# Altium PCB GND_Studio.PcbDoc (continued)
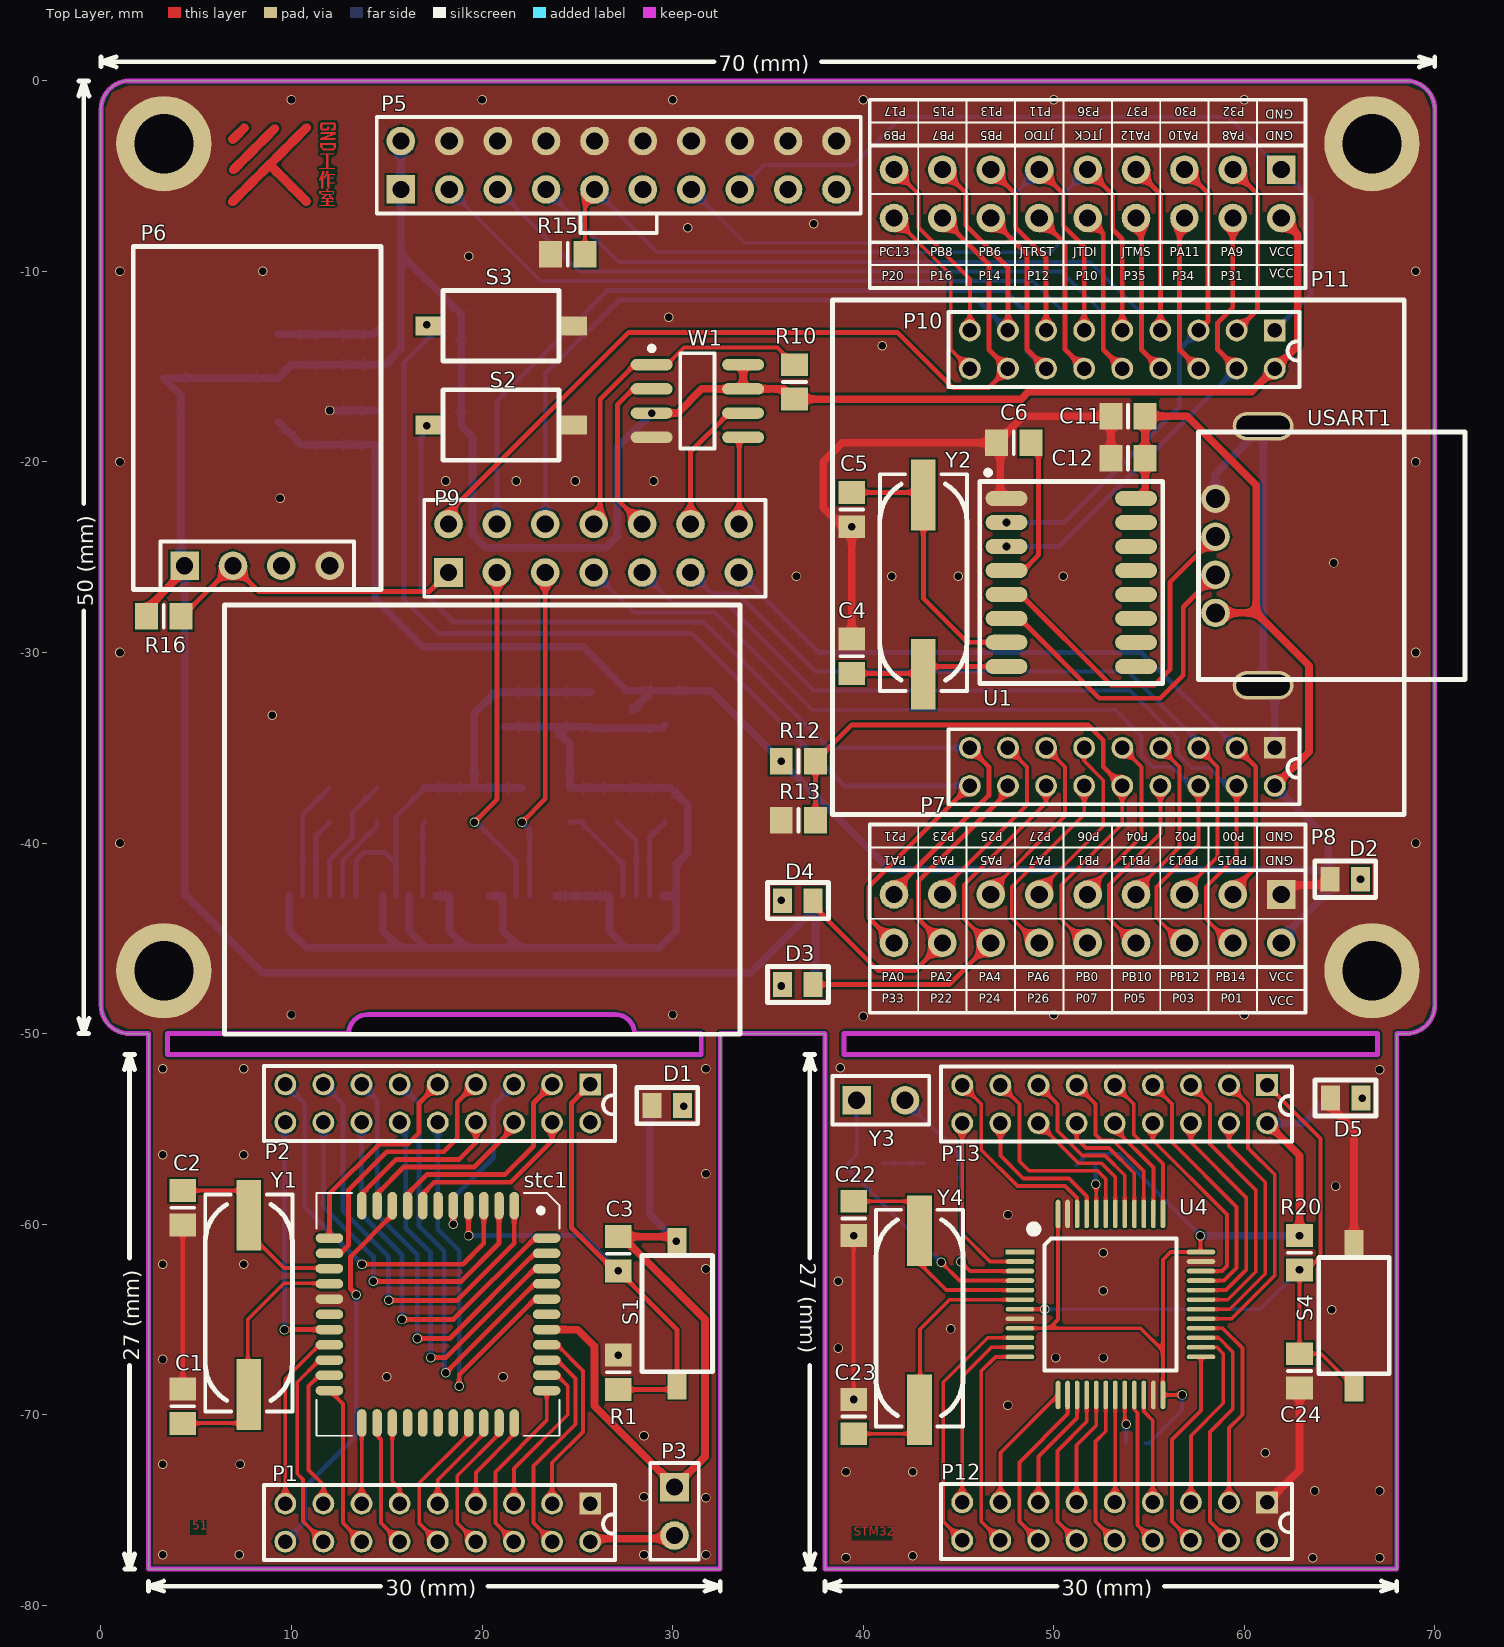
[diagram p0: Top Layer view]
## Nets (pads, with @x,y where several pads share a name; then routed paths per layer and width w, separated by ;. In a path a pad name is that pad's centre, name@x,y a point inside that pad or via, vN(x,y) a via of type N, cw(c..) or ccw(c..) an arc to the next point about the centre after c; other vN are vias at no path point) (continued)
NetC2_2: C2.2 stc1.14 Y1.2 | length 10.7
  Top Layer w0.2: C2.2 7.698,-58.239 7.709,-58.25 7.709,-60.409 9.6,-62.3 11.96,-62.3 stc1.14
NetC4_2: C4.2 U1.8 Y2.1 | length 8.3
  Top Layer w0.254: C4.2 43.125,-31.1 Y2.1 43.561,-30.736 U1.8
NetC5_2: C5.2 U1.7 Y2.2 | length 14.6
  Top Layer w0.254: C5.2 43.023,-21.6 Y2.2 43.161,-27.161 45.466,-29.466 U1.7
NetC6_2: C6.2 U1.4 | length 8.1
  Top Layer w0.254: U1.4 48.404,-25.696 49.2,-24.9 49.2,-19.4 C6.2
NetC7_2: C7.2 P4.28 | length 4.2
  Bottom Layer w0.254: P4.28 28.79,-39.71 C7.2
NetC8_2: C8.2 P4.27 | length 4.3
  Bottom Layer w0.254: C8.2 28.09,-39.89 P4.27
NetC9_1: C9.1 P4.5 | length 4.6
  Bottom Layer w0.254: P4.5 12.69,-40.91 14.5,-39.1 C9.1
NetC9_2: C9.2 P4.4 | length 6.7
  Bottom Layer w0.254: P4.4 11.99,-40.91 13.2,-39.7 13.2,-38.4 C9.2
NetC10_1: C10.1 P4.3 | length 4.2
  Bottom Layer w0.254: P4.3 11.29,-39.61 C10.1
NetC10_2: C10.2 P4.2 | length 6.3
  Bottom Layer w0.254: P4.2 10.59,-38.51 C10.2
NetD1_1: D1.1 pad.2 R2.2
NetD2_1: D2.1 pad.32 R8.2
NetD3_1: D3.1 pad.45 R11.2
NetD4_1: D4.1 pad.44 R14.2
NetD5_1: D5.1 pad.6 R19.1
NetP4_11: P4.11 R9.1 | length 3.9
  Bottom Layer w0.254: P4.11 16.89,-39.01 R9.1
NetP4_26: P4.26 R5.1 | length 5.4
  Bottom Layer w0.254: R5.1 25.2,-38.9 27.39,-41.09 P4.26
NetU1_5: U1.5 USART1.3 | length 18.1
  Top Layer w0.254: U1.5@48.256,-26.956 53,-31.7 55.3,-31.7 56.1,-30.9 56.1,-26.313 USART1.3
NetU1_6: U1.6 USART1.2 | length 16.8
  Top Layer w0.254: U1.6@48.216,-28.216 52.4,-32.4 55.6,-32.4 56.8,-31.2 56.8,-27.613 USART1.2
NRST: C24.2 P13.1 pad.10 R20.1 S4.2 U4.7 | length 35.1
  Top Layer w0.2: U4.7 v1(49.537,-64.463) ; P13.1 64,-55.5 64,-61.7 63.3,-62.4 R20.1 C24.2 64.02,-66.8 S4.2@65.768,-68.548
  Bottom Layer w0.2: v1(49.537,-64.463) 60.837,-64.463 pad.10
OLED_3V3: C13.2 C14.2 P4.6 P4.9 R6.2 R7.2 R9.2 U2.2 | length 26.3
  Bottom Layer w0.254: P4.6 13.39,-40.91 13.813,-40.487 14.9,-40.487 P4.9@15.49,-41.077 ; P4.9 P4.9@15.49,-41.077 ; R9.2 15.49,-38.61 P4.9@15.49,-41.077
  Bottom Layer w0.4: R9.2 R7.2 ; R6.2 R7.2 ; U2.2 21.219,-32.081 C14.2 20.7,-32.1 19.6,-33.2 R7.2
OSC_IN: C22.2 U4.5 Y4.2 | length 12.6
  Top Layer w0.2: C22.2 42.984,-58.8 42.988,-58.804 42.988,-62.088 44.363,-63.463 U4.5
OSC_OUT: C23.2 U4.6 Y4.1 | length 14.9
  Top Layer w0.2: C23.2 42.984,-71 42.988,-70.996 42.988,-65.512 44.537,-63.963 U4.6
P00: P1.3 stc1.37 | length 10.1
  Top Layer w0.2: stc1.37 23.931,-66.331 25.3,-67.7 25.3,-70.9 23.676,-72.524 P1.3
P00/PB15/MOSI: P7.3 P8.3 P9.13 | length 38.6
  Top Layer w0.254: P8.3@59.22,-42.66 60.6,-41.28 60.6,-36 P7.3
  Bottom Layer w0.254: P9.13 37.68,-30 54.6,-30 P7.3
P01: P1.4 stc1.36 | length 11.8
  Top Layer w0.2: stc1.36 23.931,-67.131 24.9,-68.1 24.9,-70.5 22.7,-72.7 22.7,-75.688 P1.4
P01/PB14MISO: P7.4 P8.4 P9.9 | length 45.7
  Top Layer w0.2: P8.4@59.22,-45.2 58,-43.98 58,-42.3 59.6,-40.7 P7.4
  Bottom Layer w0.2: P9.9 30,-27.4 32.8,-27.4 37.4,-32 54,-32 56.5,-34.5 56.5,-35.3 57.246,-36.046 58.146,-36.046 59.1,-37 P7.4
P02: P1.5 stc1.35 | length 8.7
  Top Layer w0.2: P1.5 21.676,-72.824 24.5,-70 24.5,-68.5 23.931,-67.931 stc1.35
P02/PB13/SCK: P7.5 P8.5 P9.11 | length 39.5
  Top Layer w0.2: P8.5@56.68,-42.66 58.6,-40.74 58.6,-36 P7.5
  Bottom Layer w0.2: P9.11 32.04,-26.9 33.4,-26.9 37.5,-31 53.9,-31 57.6,-34.7 P7.5
P03: P1.6 stc1.34 | length 9.5
  Top Layer w0.2: P1.6 20.7,-75.688 20.7,-73 23.391,-70.309 stc1.34
P03/PB12/CS: P7.6 P8.6 P9.7 | length 46.6
  Top Layer w0.2: P8.6@56.68,-45.2 55.4,-43.92 55.4,-42.3 57.6,-40.1 P7.6
  Bottom Layer w0.2: P9.7 27.96,-27.9 32.2,-27.9 37.3,-33 53.2,-33 54.6,-34.4 54.6,-35.4 55.2,-36 56.2,-36 57.2,-37 P7.6
P04: P1.7 stc1.33 | length 5.1
  Top Layer w0.2: P1.7 19.676,-73.024 21.691,-71.009 stc1.33
P04/PB11: P7.7 P8.7 | length 9.1
  Top Layer w0.2: P8.7@54.14,-42.66 56.6,-40.2 56.6,-36 P7.7
P05: P1.8 stc1.32 | length 7.5
  Top Layer w0.2: P1.8 18.7,-75.688 18.7,-73.2 20.891,-71.009 stc1.32
P05/PB10: P7.8 P8.8 | length 9.8
  Top Layer w0.2: P8.8@54.14,-45.2 52.9,-43.96 52.9,-42.2 55.6,-39.5 P7.8
P06: P1.9 stc1.31 | length 5.2
  Top Layer w0.2: P1.9 17.676,-73.424 20.091,-71.009 stc1.31
P06/PB1: P7.9 P8.9 | length 9.3
  Top Layer w0.2: P8.9@51.6,-42.66 54.6,-39.66 54.6,-36 P7.9
P07: P1.10 stc1.30 | length 7.7
  Top Layer w0.2: P1.10 16.7,-75.688 16.7,-73.6 19.291,-71.009 stc1.30
P07/PB0: P7.10 P8.10 R12.1 R13.1 | length 32.2
  Top Layer w0.2: P8.10@51.6,-45.2 50.4,-44 50.4,-42.2 53.6,-39 P7.10
  Top Layer w0.254: R13.1 R12.1 39.4,-33.8 51.8,-33.8 52.6,-34.6 52.6,-36 P7.10
P10: P2.10 stc1.40 | length 21.1
  Top Layer w0.254: v1(18.8,-68.5) 18.8,-67.9 22.769,-63.931 stc1.40
  Bottom Layer w0.254: P2.10 17.676,-60.276 18.8,-61.4 v1(18.8,-68.5)
P10/JTDI: P5.5 P10.10 P11.10 | length 46.4
  Top Layer w0.254: P11.10 52.6,-8.02 52.6,-14.1 P10.10
  Bottom Layer w0.2: P5.5 25.12,-10 50.4,-10 52.6,-12.2 52.6,-14.1 P10.10
P11: P2.11 stc1.41 | length 23.4
  Top Layer w0.254: v1(18.1,-67.8) 22.769,-63.131 stc1.41
  Bottom Layer w0.254: P2.11 16.7,-53.688 16.7,-60.1 18.014,-61.414 18.014,-67.714 v1(18.1,-67.8)
P11/JTDO: P5.13 P10.11 P11.11 | length 31.7
  Top Layer w0.254: P11.11 50.5,-5.92 50.5,-7.6 51.6,-8.7 P10.11
  Bottom Layer w0.2: P5.13 33.78,-8.5 47.5,-8.5 48,-8 48,-5.9 P11.11
P12: P2.12 stc1.42 | length 21
  Top Layer w0.254: v1(17.3,-67) 18.1,-67 22.769,-62.331 stc1.42
  Bottom Layer w0.254: P2.12 16,-54.988 16,-60.2 17.3,-61.5 v1(17.3,-67)
P12/JTRST: P5.3 P10.12 P11.12 | length 47.2
  Top Layer w0.254: P11.12 50.6,-8.56 50.6,-14.1 P10.12
  Bottom Layer w0.2: P5.3 23.08,-10.5 48.9,-10.5 50.6,-12.2 50.6,-14.1 P10.12
P13: P2.13 stc1.43 | length 23.2
  Top Layer w0.254: v1(16.6,-66) 18.3,-66 22.769,-61.531 stc1.43
  Bottom Layer w0.254: P2.13 14.5,-53.488 14.5,-59.5 16.6,-61.6 v1(16.6,-66)
P13/PB5: P10.13 P11.13 | length 9.6
  Top Layer w0.254: P11.13 48,-5.96 48,-7.7 49.6,-9.3 P10.13
P14: P2.14 stc1.44 | length 20.6
  Top Layer w0.254: v1(15.8,-65) 18.5,-65 22.769,-60.731 stc1.44
  Bottom Layer w0.254: P2.14 13.676,-59.476 15.8,-61.6 v1(15.8,-65)
P14/PB6/SCL: P9.4 P10.14 P11.14 | length 49.6
  Top Layer w0.254: P11.14 48.6,-9.1 48.6,-14.1 P10.14
  Bottom Layer w0.254: P9.4 20.78,-16.82 26.6,-11 47.4,-11 48.6,-12.2 48.6,-14.2 49.5,-15.1 P10.14
P15: P2.15 stc1.1 | length 22.6
  Top Layer w0.254: v1(15.1,-64) 18.7,-64 21.691,-61.009 stc1.1
  Bottom Layer w0.254: P2.15 12.7,-53.688 12.7,-59.3 15.1,-61.7 v1(15.1,-64)
P15/PB7/SDA: P9.6 P10.15 P11.15 | length 44.3
  Top Layer w0.254: P11.15 45.4,-5.9 45.4,-7.6 47.6,-9.8 P10.15
  Bottom Layer w0.254: P9.6 23.32,-15.38 27.2,-11.5 46,-11.5 P10.15
P16: P2.16 stc1.2 | length 18.8
  Top Layer w0.254: v1(14.3,-63) 18.9,-63 20.891,-61.009 stc1.2
  Bottom Layer w0.254: P2.16 11.676,-59.076 14.3,-61.7 v1(14.3,-63)
P16/PB8/DHT11: P9.2 P10.16 P11.16 | length 45.5
  Top Layer w0.254: P9.2@18.7,-22.8 P9.2 18.24,-22.66 27.7,-13.2 41.8,-13.2 44.7,-16.1 46.6,-16.1 P10.16 46.6,-14.1 46.6,-9.64 P11.16
P17: P2.17 stc1.3 | length 19.8
  Top Layer w0.254: v1@13.8,-62.1 19,-62.1 20.091,-61.009 stc1.3
  Bottom Layer w0.254: P2.17 10.7,-53.688 10.7,-59.1 v1(13.7,-62.1)
P17/PB9/LED: P10.17 P11.17 | length 10.1
  Top Layer w0.2: P11.17 42.9,-5.94 42.9,-7.7 45.6,-10.4 P10.17
P20: P2.18 stc1.18 | length 13.2
  Top Layer w0.254: v1(9.631,-65.531) stc1.18
  Bottom Layer w0.254: v1(9.631,-65.531) 9.631,-54.709 P2.18
P20/PC13: P10.18 P11.18 | length 9.5
  Top Layer w0.2: P11.18 44.6,-10.18 44.6,-14.1 P10.18
P21: P1.17 stc1.19 | length 9.6
  Top Layer w0.2: P1.17 9.676,-68.124 11.469,-66.331 stc1.19
P21/PA1/KEY1: P7.17 P8.17 pad.49 R3.1 S2.2 | length 51.1
  Top Layer w0.254: P8.17 41.62,-42.48 46.6,-37.5 46.6,-36 P7.17
  Bottom Layer w0.254: pad.49 17.1,-18.4 16.8,-18.7 16.8,-26.7 18.5,-28.4 31.6,-28.4 38.2,-35 P7.17
P22: P1.16 stc1.20 | length 11.1
  Top Layer w0.2: P1.16 10.6,-75.588 10.6,-73.4 10.3,-73.1 10.3,-68.3 11.469,-67.131 stc1.20
P22/PA2/LED1: D4.2 P7.16 P8.16 | length 19.8
  Top Layer w0.254: D4.2 37.379,-43.279 40.8,-46.7 42.7,-46.7 P8.16 42.9,-43.98 42.9,-42 47.6,-37.3 P7.16
P23: P1.15 stc1.21 | length 7.8
  Top Layer w0.2: P1.15 11.676,-73.676 10.9,-72.9 10.9,-68.5 11.469,-67.931 stc1.21
P23/PA3: P7.15 P8.15 | length 10
  Top Layer w0.2: P8.15 44.16,-42.44 48.6,-38 48.6,-36 P7.15
P24: P1.14 stc1.22 | length 8.6
  Top Layer w0.2: stc1.22 12.7,-69.44 12.7,-75.688 P1.14
P24/PA4/LED2: D3.2 P7.14 P8.14 | length 20.7
  Top Layer w0.2: P8.14@46.52,-45.2 45.3,-43.98 45.3,-42.2 49.6,-37.9 P7.14
  Top Layer w0.254: D3.2 44.518,-47.422 P8.14
P25: P1.13 stc1.23 | length 4.6
  Top Layer w0.2: P1.13 13.691,-74.649 stc1.23@13.691,-70.031
P25/PA5: P7.13 P8.13 | length 9.8
  Top Layer w0.2: P8.13@46.52,-42.66 50.6,-38.58 50.6,-36 P7.13
P26: P1.12 stc1.24 | length 7.1
  Top Layer w0.2: stc1.24@14.491,-70.031 14.491,-71.091 14.7,-71.3 14.7,-75.688 P1.12
P26/PA6: P7.12 P8.12 | length 10.3
  Top Layer w0.2: P8.12@49.06,-45.2 47.8,-43.94 47.8,-42.3 51.6,-38.5 P7.12
P27: P1.11 stc1.25 | length 4.8
  Top Layer w0.2: stc1.25@15.291,-70.031 15.291,-73.491 15.676,-73.876 P1.11
P27/PA7: P7.11 P8.11 | length 9.5
  Top Layer w0.2: P8.11@49.06,-42.66 52.6,-39.12 52.6,-36.7 51.6,-35.7 P7.11
P30: P2.5 stc1.5 | length 9.6
  Top Layer w0.254: v1(18.491,-60) stc1.5
  Bottom Layer w0.254: v1(18.491,-60) 18.491,-58.609 20.6,-56.5 20.6,-53.74 P2.5
P30/PA10/RX: P10.5 P11.5 pad.41 U1.2 | length 25.2
  Top Layer w0.254: P11.5 58.1,-5.9 58.1,-12.6 P10.5
  Bottom Layer w0.254: pad.41 50.524,-23.176 56.6,-17.1 56.6,-14.1 P10.5
P31: P2.4 stc1.7 | length 9.5
  Top Layer w0.254: stc1.7 16.891,-58.409 17.5,-57.8 21.5,-57.8 23.676,-55.624 P2.4
P31/PA9/TX: P10.4 P11.4 pad.42 U1.3 | length 24.6
  Top Layer w0.254: P11.4 59.4,-11.9 58.6,-12.7 58.6,-14.1 P10.4
  Bottom Layer w0.254: pad.42 50.264,-24.436 P10.4
P32: P2.3 stc1.8 | length 11.5
  Top Layer w0.254: stc1.8@16.091,-58.631 16.091,-58.409 17.1,-57.4 21.2,-57.4 22.7,-55.9 22.7,-53.64 P2.3
P32/PA8: P10.3 P11.3 | length 9.4
  Top Layer w0.254: P11.3 60.7,-5.96 60.7,-12 P10.3
P33: P1.18 stc1.9 | length 20.2
  Top Layer w0.254: v1(13.4,-63.7) 13.1,-63.4 13.1,-61.7 15.291,-59.509 stc1.9
  Bottom Layer w0.254: P1.18 10.7,-75.64 10.7,-73.8 13.4,-71.1 v1(13.4,-63.7)
P33/PA0/KEY3: P7.18 P8.18 pad.37 R4.1 S3.2 | length 59.6
  Top Layer w0.254: P8.18 40.3,-43.92 40.3,-42.3 P7.18
  Bottom Layer w0.254: R4.1@17.1,-13.3 17.4,-13.3 15.9,-14.8 15.9,-27.2 17.7,-29 31,-29 39,-37 P7.18
P34: P2.6 stc1.10 | length 9.1
  Top Layer w0.254: stc1.10@14.491,-58.631 14.491,-58.409 15.9,-57 19.6,-57 21.676,-54.924 P2.6
P34/PA11: P10.6 P11.6 | length 8.4
  Top Layer w0.254: P11.6 56.6,-7.46 56.6,-14.1 P10.6
P35: P2.8 stc1.11 | length 8.4
  Top Layer w0.254: stc1.11@13.691,-58.631 13.691,-58.409 15.5,-56.6 18.8,-56.6 19.676,-55.724 P2.8
P35/JTMS: P5.7 P10.8 P11.8 | length 45.7
  Top Layer w0.254: P11.8 54.6,-7.48 54.6,-14.1 P10.8
  Bottom Layer w0.2: P5.7 27.16,-9.5 51.9,-9.5 54.6,-12.2 54.6,-14.1 P10.8
P36: P2.9 stc1.12 | length 11.3
  Top Layer w0.254: stc1.12 11.991,-58.409 14.6,-55.8 16.1,-55.8 16.7,-55.2 16.7,-53.64 P2.9
P36/JTCK: P5.9 P10.9 P11.9 R15.2 | length 43.2
  Top Layer w0.2: R15.2 25.4,-6.2 P5.9
  Top Layer w0.254: P11.9 53.1,-5.98 53.1,-7.8 53.6,-8.3 P10.9
  Bottom Layer w0.2: P5.9 29.2,-9 49.8,-9 50.5,-8.3 50.5,-5.94 P11.9
P37: P2.7 stc1.13 | length 14.2
  Top Layer w0.254: stc1.13 12.569,-61.531 13,-61.1 13,-58.2 15,-56.2 18,-56.2 18.7,-55.5 18.7,-53.6 19.636,-52.664 P2.7
P37/PA12: P10.7 P11.7 | length 9
  Top Layer w0.254: P11.7 55.6,-5.94 P10.7
PA0: P12.18 U4.10 | length 13.7
  Top Layer w0.2: P12.18 44.2,-75.6 44.2,-68.3 46.537,-65.963 U4.10
PA1: P12.17 U4.11 | length 10.3
  Top Layer w0.2: P12.17 45.2,-68 46.737,-66.463 U4.11
PA2: P12.16 U4.12 | length 11.6
  Top Layer w0.2: P12.16 46.2,-75.6 46.2,-67.7 46.937,-66.963 U4.12
PA3: P12.15 U4.13 | length 6.9
  Top Layer w0.2: P12.15 47.2,-71.993 U4.13
PA4: P12.14 U4.14 | length 9.1
  Top Layer w0.2: P12.14 48.2,-75.6 48.2,-72.5 50.73,-69.97 U4.14
PA5: P12.13 U4.15 | length 6.5
  Top Layer w0.2: P12.13 49.2,-72.2 51.23,-70.17 U4.15
PA6: P12.12 U4.16 | length 8.7
  Top Layer w0.2: P12.12 50.2,-75.6 50.2,-71.9 51.73,-70.37 U4.16
PA7: P12.11 U4.17 | length 6.1
  Top Layer w0.2: P12.11 51.2,-71.6 52.23,-70.57 U4.17
PA8: P13.3 U4.29 | length 15.8
  Top Layer w0.2: U4.29 59.337,-64.963 61.6,-62.7 61.6,-57.4 60.2,-56 60.2,-53.7 P13.3
PA9: P13.4 U4.30 | length 12.8
  Top Layer w0.2: U4.30 59.237,-64.463 61.1,-62.6 61.1,-57.8 59.2,-55.9 P13.4
PA10: P13.5 U4.31 | length 14.7
  Top Layer w0.2: P13.5 58.2,-53.7 58.2,-55.8 60.6,-58.2 60.6,-62.5 59.137,-63.963 U4.31
PA11: P13.6 U4.32 | length 11.7
  Top Layer w0.2: P13.6 57.2,-55.7 60.1,-58.6 60.1,-62.4 59.037,-63.463 U4.32
PA12: P13.7 U4.33 | length 13.6
  Top Layer w0.2: P13.7 56.2,-53.7 56.2,-55.7 59.6,-59.1 59.6,-62.3 58.937,-62.963 U4.33
PB0: P12.10 U4.18 | length 8.3
  Top Layer w0.2: U4.18 52.73,-70.87 52.2,-71.4 52.2,-75.6 P12.10
PB1: P12.9 U4.19 | length 5.6
  Top Layer w0.2: P12.9 53.23,-74.57 U4.19
PB5: P13.13 U4.41 | length 9.3
  Top Layer w0.2: P13.13 50.2,-53.7 50.2,-55.1 51.5,-56.4 52.7,-56.4 53.73,-57.43 U4.41
PB6: P13.14 U4.42 | length 7.1
  Top Layer w0.2: P13.14 51.3,-56.8 52.5,-56.8 53.23,-57.53 U4.42
PB7: P13.15 U4.43 | length 11.2
  Top Layer w0.2: P13.15 48.2,-53.7 48.2,-56.7 48.7,-57.2 52.3,-57.2 52.73,-57.63 U4.43
PB8: P13.16 U4.45 | length 8
  Top Layer w0.2: P13.16 47.2,-56.4 48.4,-57.6 50.8,-57.6 51.73,-58.53 U4.45
PB9: P13.17 U4.46 | length 10.7
  Top Layer w0.2: P13.17 46.2,-53.7 46.2,-56.1 48.1,-58 50.6,-58 51.23,-58.63 U4.46
PB10: P12.8 U4.21 | length 8.1
  Top Layer w0.2: U4.21@54.25,-68.983 U4.21 54.23,-69.73 54.4,-69.9 54.4,-75.8 P12.8
PB11: P12.7 U4.22 | length 5.8
  Top Layer w0.2: U4.22 54.73,-69.83 55.2,-70.3 P12.7
PB12: P12.6 U4.25 | length 10.7
  Top Layer w0.2: P12.6 56.2,-75.6 56.2,-71.3 57.73,-69.77 U4.25
PB13: P12.5 U4.26 | length 9.9
  Top Layer w0.2: P12.5 57.2,-71.1 58.9,-69.4 58.9,-66.8 58.563,-66.463 U4.26 U4.26@57.767,-66.5
PB14: P12.4 U4.27 | length 12.8
  Top Layer w0.2: U4.27 58.663,-65.963 59.4,-66.7 59.4,-69.7 58.2,-70.9 58.2,-75.6 P12.4
PB15: P12.3 U4.28 | length 11
  Top Layer w0.2: U4.28 58.863,-65.463 59.9,-66.5 59.9,-70 59.2,-70.7 P12.3
PC13: P13.18 U4.2 | length 9.4
  Top Layer w0.2: P13.18 45.2,-60.5 46.663,-61.963 U4.2
PC14: C20.2 U4.3 Y3.2 | length 13
  Top Layer w0.2: v1(45.118,-61.981) 45.6,-62.463 U4.3
  Bottom Layer w0.2: Y3.2 45,-56.3 C20.2 45.118,-56.918 v1(45.118,-61.981)
PC15: C21.2 U4.4 Y3.1 | length 15.2
  Top Layer w0.2: v1(44.1,-62) 45.063,-62.963 U4.4
  Bottom Layer w0.2: Y3.1 39.66,-56.34 C21.2 39.2,-57.1 v1(44.1,-62)
RST: C3.1 P2.1 pad.18 R1.2 S1.1 stc1.4 | length 32.1
  Top Layer w0.254: v1(19.291,-60.6) stc1.4 ; P2.1 24.7,-53.64 24.7,-60.2 26.952,-62.452 C3.1 30.232,-65.532 30.232,-68.679 27.156,-68.679 R1.2
  Bottom Layer w0.254: v1(19.291,-60.6) 25.3,-60.6 pad.18
SCK: P9.12 W1.6 | length 7.4
  Top Layer w0.254: P9.12 30.94,-19.46 32.965,-17.435 W1.6
SCL: P4.18 P9.3 pad.30 R7.1 | length 18.4
  Top Layer w0.254: pad.30 20.78,-37.72 P9.3
  Bottom Layer w0.254: pad.30 19.7,-38.9 21.79,-40.99 P4.18
SDA: P4.19 P4.20 P9.5 pad.31 R6.1 | length 17.6
  Top Layer w0.254: pad.31 23.32,-37.68 P9.5
  Bottom Layer w0.254: pad.31 22.49,-39.29 P4.19
SYS_3V3: C17.2 C19.2 P5.1 P5.2 P6.1 P10.2 P11.2 pad.43 R3.2 R4.2 R10.1 R11.1 R14.1 R16.1 U3.2 W1.3 W1.7 W1.8 | length 171.8
  Top Layer w0.4: R16.1 2.4,-27.7 4.39,-25.71 P6.1 ; W1.3 30.265,-17.435 31.535,-16.165 W1.7 ; W1.8 W1.7 ; R10.1@36.6,-16.7 48.3,-16.7 48.7,-16.3 60.4,-16.3 P10.2 62.8,-13.9 62.8,-8.06 P11.2 ; R10.1@36.8,-16.3 R10.1 35.865,-16.165 W1.7
  Bottom Layer w0.4: P5.2 P5.1 15.74,-9.1 ; pad.43 27.1,-19.235 27.1,-23.9 26.5,-24.5 20.2,-24.5 19.5,-23.8 19.5,-18.7 R3.2 R4.2 18.9,-12.26 15.74,-9.1 ; R11.1 R14.1@37.5,-43.4 ; R14.1 R14.1@37.5,-43.4 ; 15.74,-9.1 15.74,-14.06 14.9,-14.9 C19.2 C17.2 10,-14.9 9.3,-15.6 3.3,-15.6 4.2,-16.5 4.2,-25.257 P6.1 4.39,-42.69 8.5,-46.8 34.1,-46.8 R14.1@37.5,-43.4
SYS_5V: C11.2 C12.2 C15.2 C16.1 C18.1 P7.2 P8.2 pad.46 R8.1 R12.2 U1.16 U2.3 U3.3 USART1.1 | length 113.3
  Top Layer w0.4: U1.16 54.8,-21.439 C11.2 57,-17.6 60.623,-21.223 60.623,-27.923 ; USART1.1 60.623,-27.923 ; P7.2 63.4,-35.2 63.4,-30.7 60.623,-27.923
  Bottom Layer w0.4: U3.3 10.5,-19.1 C16.1 C18.1 14.4,-27.2 16.9,-29.7 25.3,-29.7 27.6,-32 C15.2@28.917,-32 ; U2.3 C15.2@28.917,-32 ; P7.2 64.4,-39.8 R8.1 ; P8.2@61.76,-45.2 64.4,-42.56 R8.1 ; C15.2@28.917,-32 C15.2 32,-32 41.4,-41.4 63.9,-41.4 R8.1
VBAT: U4.1
pads on no net: P4.7 P4.14 P4.15 P5.11 P5.17 P5.19 P6.3 stc1.6 stc1.17 stc1.26 stc1.27 stc1.28 stc1.29 stc1.39 U1.9 U1.10 U1.11 U1.12 U1.13 U1.14 U1.15
copper on no net: | length 144.7
  Top Layer w0.051: 6.693,-6.415 7.15,-6.415 ; 6.693,-6.364 7.201,-6.364 ; 6.693,-6.313 7.251,-6.313 ; 6.693,-6.263 7.302,-6.263 ; 6.693,-3.113 7.201,-3.113 ; 6.693,-3.062 7.251,-3.062 ; 6.693,-3.011 7.302,-3.011 ; 6.693,-2.961 7.353,-2.961 ; 6.743,-6.466 7.099,-6.466 ; 6.743,-6.212 7.353,-6.212 ; 6.743,-6.161 7.404,-6.161 ; 6.743,-4.739 7.201,-4.739 ; 6.743,-4.688 7.251,-4.688 ; 6.743,-4.637 7.302,-4.637 ; 6.743,-4.586 7.353,-4.586 ; 6.743,-3.215 7.099,-3.215 ; 6.743,-3.164 7.15,-3.164 ; 6.743,-2.91 7.404,-2.91 ; 6.794,-6.517 6.997,-6.517 ; 6.794,-6.11 7.455,-6.11 ; 6.794,-4.789 7.15,-4.789 ; 6.794,-4.535 7.404,-4.535 ; 6.794,-4.485 7.455,-4.485 ; 6.794,-2.859 7.455,-2.859 ; 6.845,-6.059 7.505,-6.059 ; 6.845,-4.84 7.048,-4.84 ; 6.845,-4.434 7.505,-4.434 ; 6.845,-3.265 6.997,-3.265 ; 6.845,-2.808 7.505,-2.808 ; 6.896,-6.009 7.556,-6.009 ; 6.896,-4.383 7.556,-4.383 ; 6.896,-2.757 7.556,-2.757 ; 6.947,-5.958 7.607,-5.958 ; 6.947,-4.332 7.607,-4.332 ; 6.947,-2.707 7.607,-2.707 ; 6.997,-5.907 7.658,-5.907 ; 6.997,-4.281 7.658,-4.281 ; 6.997,-2.656 7.658,-2.656 ; 7.048,-5.856 7.709,-5.856 ; 7.048,-4.231 7.709,-4.231 ; 7.048,-2.605 7.709,-2.605 ; 7.099,-5.805 7.759,-5.805 ; 7.099,-4.18 7.759,-4.18 ; 7.099,-2.554 7.709,-2.554 ; 7.15,-5.755 7.81,-5.755 ; 7.15,-4.129 7.81,-4.129 ; 7.15,-2.503 7.759,-2.503 ; 7.201,-5.704 7.861,-5.704 ; 7.201,-4.078 7.861,-4.078 ; 7.201,-2.453 7.759,-2.453 ; 7.251,-5.653 7.912,-5.653 ; 7.251,-4.027 7.912,-4.027 ; 7.251,-2.402 7.759,-2.402 ; 7.302,-5.602 7.963,-5.602 ; 7.302,-3.977 7.963,-3.977 ; 7.302,-2.351 7.709,-2.351 ; 7.353,-5.551 8.013,-5.551 ; 7.353,-3.926 8.013,-3.926 ; 7.353,-2.3 7.709,-2.3 ; 7.404,-5.501 8.064,-5.501 ; 7.404,-3.875 8.064,-3.875 ; 7.404,-2.249 7.607,-2.249 ; 7.455,-5.45 8.115,-5.45 ; 7.455,-3.824 8.115,-3.824 ; 7.505,-5.399 8.166,-5.399 ; 7.505,-3.773 8.166,-3.773 ; 7.556,-5.348 8.217,-5.348 ; 7.556,-3.723 8.217,-3.723 ; 7.607,-5.297 8.267,-5.297 ; 7.607,-3.672 8.267,-3.672 ; 7.658,-5.247 8.318,-5.247 ; 7.658,-3.621 8.318,-3.621 ; 7.709,-5.196 8.369,-5.196 ; 7.709,-3.57 8.369,-3.57 ; 7.759,-5.145 8.42,-5.145 ; 7.759,-3.519 8.42,-3.519 ; 7.81,-5.094 8.471,-5.094 ; 7.81,-3.469 8.471,-3.469 ; 7.861,-5.043 8.521,-5.043 ; 7.861,-3.418 8.521,-3.418 ; 7.912,-4.993 8.572,-4.993 ; 7.912,-3.367 8.572,-3.367 ; 7.963,-4.942 8.623,-4.942 ; 7.963,-3.316 8.623,-3.316 ; 8.013,-4.891 8.674,-4.891 ; 8.013,-3.265 8.674,-3.265 ; 8.064,-4.84 8.725,-4.84 ; 8.064,-3.215 8.725,-3.215 ; 8.115,-4.789 8.775,-4.789 ; 8.115,-3.164 8.775,-3.164 ; 8.166,-4.739 8.826,-4.739 ; 8.166,-3.113 8.826,-3.113 ; 8.217,-4.688 9.487,-4.688 ; 8.217,-3.062 8.877,-3.062 ; 8.267,-4.637 9.436,-4.637 ; 8.267,-3.011 8.928,-3.011 ; 8.318,-4.586 9.385,-4.586 ; 8.318,-2.961 8.979,-2.961 ; 8.369,-4.535 9.334,-4.535 ; 8.369,-2.91 9.029,-2.91 ; 8.42,-4.485 9.283,-4.485 ; 8.42,-2.859 9.08,-2.859 ; 8.471,-4.434 9.233,-4.434 ; 8.471,-2.808 9.131,-2.808 ; 8.521,-4.383 9.182,-4.383 ; 8.521,-2.757 9.182,-2.757 ; 8.572,-4.332 9.233,-4.332 ; 8.572,-2.707 9.233,-2.707 ; 8.623,-4.281 9.283,-4.281 ; 8.623,-2.656 9.283,-2.656 ; 8.674,-4.231 9.334,-4.231 ; 8.674,-2.605 9.283,-2.605 ; 8.725,-4.18 9.385,-4.18 ; 8.725,-2.554 9.334,-2.554 ; 8.775,-4.129 9.436,-4.129 ; 8.775,-2.503 9.334,-2.503 ; 8.826,-4.078 9.487,-4.078 ; 8.826,-2.453 9.334,-2.453 ; 8.877,-4.739 9.537,-4.739 ; 8.877,-4.027 9.537,-4.027 ; 8.877,-2.402 9.334,-2.402 ; 8.928,-4.789 9.588,-4.789 ; 8.928,-3.977 9.588,-3.977 ; 8.928,-2.351 9.283,-2.351 ; 8.979,-4.84 9.639,-4.84 ; 8.979,-3.926 9.639,-3.926 ; 9.029,-4.891 9.69,-4.891 ; 9.029,-3.875 9.69,-3.875 ; 9.029,-2.3 9.233,-2.3 ; 9.08,-4.942 9.741,-4.942 ; 9.08,-3.824 9.741,-3.824 ; 9.131,-4.993 9.791,-4.993 ; 9.131,-3.773 9.791,-3.773 ; 9.182,-5.043 9.842,-5.043 ; 9.182,-3.723 9.842,-3.723 ; 9.233,-5.094 9.893,-5.094 ; 9.233,-3.672 9.893,-3.672 ; 9.283,-5.145 9.944,-5.145 ; 9.283,-3.621 9.944,-3.621 ; 9.334,-5.196 9.995,-5.196 ; 9.334,-3.57 9.995,-3.57 ; 9.385,-5.247 10.045,-5.247 ; 9.385,-3.519 10.045,-3.519 ; 9.436,-5.297 10.096,-5.297 ; 9.436,-3.469 10.096,-3.469 ; 9.487,-5.348 10.147,-5.348 ; 9.487,-3.418 10.147,-3.418 ; 9.537,-5.399 10.198,-5.399 ; 9.537,-3.367 10.198,-3.367 ; 9.588,-5.45 10.249,-5.45 ; 9.588,-3.316 10.249,-3.316 ; 9.639,-5.501 10.299,-5.501 ; 9.639,-3.265 10.299,-3.265 ; 9.69,-5.551 10.35,-5.551 ; 9.69,-3.215 10.35,-3.215 ; 9.741,-5.602 10.401,-5.602 ; 9.741,-3.164 10.401,-3.164 ; 9.791,-5.653 10.452,-5.653 ; 9.791,-3.113 10.452,-3.113 ; 9.842,-5.704 10.503,-5.704 ; 9.842,-3.062 10.503,-3.062 ; 9.893,-5.755 10.553,-5.755 ; 9.893,-3.011 10.553,-3.011 ; 9.944,-5.805 10.604,-5.805 ; 9.944,-2.961 10.604,-2.961 ; 9.995,-5.856 10.655,-5.856 ; 9.995,-2.91 10.655,-2.91 ; 10.045,-5.907 10.706,-5.907 ; 10.045,-2.859 10.706,-2.859 ; 10.096,-5.958 10.757,-5.958 ; 10.096,-2.808 10.757,-2.808 ; 10.147,-6.009 10.807,-6.009 ; 10.147,-2.757 10.807,-2.757 ; 10.198,-6.059 10.858,-6.059 ; 10.198,-2.707 10.858,-2.707 ; 10.249,-6.11 10.909,-6.11 ; 10.249,-2.656 10.909,-2.656 ; 10.299,-6.161 10.96,-6.161 ; 10.299,-2.605 10.96,-2.605 ; 10.35,-6.212 10.96,-6.212 ; 10.35,-2.554 10.96,-2.554 ; 10.401,-6.263 11.011,-6.263 ; 10.401,-2.503 11.011,-2.503 ; 10.452,-6.313 11.011,-6.313 ; 10.452,-2.453 11.011,-2.453 ; 10.503,-6.364 11.011,-6.364 ; 10.503,-2.402 11.011,-2.402 ; 10.553,-6.415 10.96,-6.415 ; 10.553,-2.351 11.011,-2.351 ; 10.604,-6.466 10.96,-6.466 ; 10.604,-2.3 10.96,-2.3 ; 10.706,-6.517 10.858,-6.517 ; 10.706,-2.249 10.909,-2.249 ; 11.468,-6.517 12.281,-6.517 ; 11.468,-5.907 11.569,-5.907 ; 11.468,-5.856 11.569,-5.856 ; 11.468,-5.805 12.23,-5.805 ; 11.468,-5.196 11.519,-5.196 ; 11.468,-5.145 11.671,-5.145 ; 11.468,-4.586 12.281,-4.586 ; 11.519,-5.094 11.671,-5.094 ; 11.519,-5.043 11.671,-5.043 ; 11.519,-3.824 12.23,-3.824 ; 11.519,-3.469 11.62,-3.469 ; 11.519,-3.418 11.62,-3.418 ; 11.519,-3.367 11.62,-3.367 ; 11.519,-3.316 12.331,-3.316 ; 11.519,-3.265 12.331,-3.265 ; 11.519,-3.062 12.281,-3.062 ; 11.519,-3.011 12.331,-3.011 ; 11.519,-2.757 12.331,-2.757 ; 11.519,-2.503 11.976,-2.503 ; 11.519,-2.453 11.62,-2.453 ; 11.519,-2.402 11.62,-2.402 ; 11.519,-2.351 11.62,-2.351 ; 11.519,-2.3 11.62,-2.3 ; 11.519,-2.249 12.331,-2.249 ; 11.569,-6.313 12.179,-6.313 ; 11.569,-6.161 12.179,-6.161 ; 11.569,-5.958 12.128,-5.958 ; 11.569,-5.602 11.671,-5.602 ; 11.569,-5.551 11.671,-5.551 ; 11.569,-5.501 11.671,-5.501 ; 11.569,-5.45 11.671,-5.45 ; 11.569,-5.399 11.671,-5.399 ; 11.569,-5.348 11.671,-5.348 ; 11.569,-5.297 11.671,-5.297 ; 11.569,-5.247 11.671,-5.247 ; 11.569,-5.196 11.671,-5.196 ; 11.569,-4.993 11.671,-4.993 ; 11.569,-4.942 11.671,-4.942 ; 11.569,-4.891 11.671,-4.891 ; 11.569,-3.519 11.671,-3.519 ; 11.569,-2.707 12.331,-2.707 ; 11.569,-2.554 11.925,-2.554 ; 11.569,-2.199 12.281,-2.199 ; 11.62,-6.11 11.722,-6.11 ; 11.62,-4.84 11.722,-4.84 ; 11.62,-4.789 11.722,-4.789 ; 11.62,-4.739 11.722,-4.739 ; 11.62,-3.57 12.281,-3.57 ; 11.62,-2.961 11.874,-2.961 ; 11.671,-6.059 11.773,-6.059 ; 11.671,-3.621 12.23,-3.621 ; 11.722,-6.009 11.823,-6.009 ; 11.722,-5.094 11.773,-5.094 ; 11.722,-5.043 11.773,-5.043 ; 11.722,-4.993 11.823,-4.993 ; 11.773,-4.942 11.823,-4.942 ; 11.773,-4.891 12.281,-4.891 ; 11.773,-2.91 11.976,-2.91 ; 11.823,-6.466 11.925,-6.466 ; 11.823,-6.415 11.925,-6.415 ; 11.823,-6.364 11.925,-6.364 ; 11.823,-6.263 11.925,-6.263 ; 11.823,-6.212 11.925,-6.212 ; 11.823,-5.704 11.925,-5.704 ; 11.823,-5.653 11.874,-5.653 ; 11.823,-4.84 11.874,-4.84 ; 11.823,-4.789 11.925,-4.789 ; 11.823,-4.739 11.925,-4.739 ; 11.823,-4.535 11.925,-4.535 ; 11.823,-4.485 11.925,-4.485 ; 11.823,-4.434 11.925,-4.434 ; 11.823,-4.383 11.925,-4.383 ; 11.823,-4.332 11.925,-4.332 ; 11.823,-4.281 11.925,-4.281 ; 11.823,-4.231 11.925,-4.231 ; 11.823,-4.18 11.925,-4.18 ; 11.823,-4.129 11.925,-4.129 ; 11.823,-4.078 11.925,-4.078 ; 11.823,-4.027 11.925,-4.027 ; 11.823,-3.977 11.925,-3.977 ; 11.823,-3.926 11.925,-3.926 ; 11.823,-3.875 11.925,-3.875 ; 11.874,-5.755 11.925,-5.755 ; 11.874,-5.551 11.976,-5.551 ; 11.874,-5.501 11.976,-5.501 ; 11.874,-5.45 11.976,-5.45 ; 11.874,-5.399 11.976,-5.399 ; 11.874,-5.348 12.281,-5.348 ; 11.874,-5.297 11.976,-5.297 ; 11.874,-5.247 11.976,-5.247 ; 11.874,-5.196 11.976,-5.196 ; 11.874,-5.145 11.976,-5.145 ; 11.874,-5.094 12.23,-5.094 ; 11.874,-5.043 11.976,-5.043 ; 11.874,-4.993 11.976,-4.993 ; 11.874,-4.942 11.976,-4.942 ; 11.874,-2.859 12.128,-2.859 ; 11.874,-2.453 11.976,-2.453 ; 11.874,-2.402 11.976,-2.402 ; 11.925,-5.602 11.976,-5.602 ; 11.976,-6.059 12.077,-6.059 ; 11.976,-6.009 12.027,-6.009 ; 12.027,-6.11 12.128,-6.11 ; 12.027,-2.808 12.281,-2.808 ; 12.077,-2.554 12.281,-2.554 ; 12.077,-2.503 12.331,-2.503 ; 12.128,-6.212 12.179,-6.212 ; 12.179,-5.907 12.23,-5.907 ; 12.179,-5.856 12.23,-5.856 ; 12.23,-3.519 12.331,-3.519 ; 12.23,-3.469 12.331,-3.469 ; 12.23,-3.418 12.331,-3.418 ; 12.23,-3.367 12.331,-3.367 ; 12.23,-2.453 12.331,-2.453 ; 12.23,-2.402 12.331,-2.402 ; 12.23,-2.351 12.331,-2.351 ; 12.23,-2.3 12.331,-2.3

## Polygon pours and split planes (outlines as drawn)
GND on Bottom Layer "Top Layer-No Net" (solid, remove dead copper, pour order 32): -2.5,1.5 -4.2,-0.2 -4.2,-80.4 70.7,-80.4 74.5,-76.6 74.2,-76.3 74.2,2.6
GND on Top Layer "Top Layer-No Net" (solid, remove dead copper, pour order 34): -3.8,0.8 -3.8,-80.9 -4.3,-81.4 -3.6,-80.7 77.7,-80.7 77.7,-0.9 72.1,4.7

## Keep-outs
Keep-Out Layer:
  lines w0.254: 0,-48.5 ccw(c1.5,-48.5) 1.5,-50 2.5,-50 2.5,-78.1 32.5,-78.1 32.5,-50 38,-50 38,-78.1 68,-78.1 68,-50 68.5,-50 ccw(c68.5,-48.5) 70,-48.5 70,-1.5 ccw(c68.5,-1.5) 68.5,0 1.5,0 ccw(c1.5,-1.5) 0,-1.5 0,-48.5 ; 3.5,-51.1 3.5,-50 13,-50 cw(c14,-50) 14,-49 27,-49 cw(c27,-50) 28,-50 31.5,-50 31.5,-51.1 3.5,-51.1 ; 39,-51.1 67,-51.1 67,-50 39,-50 39,-51.1

## Other copper
Top Layer:
  text "51" at 4.8,-76.2 h0.8
  text "STM32" at 39.5,-76.5 h0.8

## Silkscreen, mask and mechanical layers (free items; w line width, h text height)
Top Overlay:
  lines w0.254: -1.167,-49.2 -0.9,-50 ; -1.167,-0.8 -0.9,0 ; -1.154,-50 -0.646,-50 ; -1.154,0 -0.646,0 ; -0.9,-27.82 -0.9,-50 ; -0.9,-22.18 -0.9,0 ; -0.633,-49.2 -0.9,-50 ; -0.633,-0.8 -0.9,0 ; 0,0.746 0,1.254 ; 0.8,0.733 0,1 ; 0.8,1.267 0,1 ; 1.233,-77.3 1.5,-78.1 ; 1.233,-51.9 1.5,-51.1 ; 1.246,-78.1 1.754,-78.1 ; 1.246,-51.1 1.754,-51.1 ; 1.5,-67.42 1.5,-78.1 ; 1.5,-61.78 1.5,-51.1 ; 1.767,-77.3 1.5,-78.1 ; 1.767,-51.9 1.5,-51.1 ; 2.5,-79.254 2.5,-78.746 ; 3.3,-79.267 2.5,-79 ; 3.3,-78.733 2.5,-79 ; 14.68,-79 2.5,-79 ; 20.32,-79 32.5,-79 ; 31.7,-79.267 32.5,-79 ; 31.7,-78.733 32.5,-79 ; 32.18,1 0,1 ; 32.5,-79.254 32.5,-78.746 ; 36.933,-77.3 37.2,-78.1 ; 36.933,-51.9 37.2,-51.1 ; 36.946,-78.1 37.454,-78.1 ; 36.946,-51.1 37.454,-51.1 ; 37.2,-67.42 37.2,-78.1 ; 37.2,-61.78 37.2,-51.1 ; 37.467,-77.3 37.2,-78.1 ; 37.467,-51.9 37.2,-51.1 ; 37.82,1 70,1 ; 38,-79.254 38,-78.746 ; 38.8,-79.267 38,-79 ; 38.8,-78.733 38,-79 ; 50.18,-79 38,-79 ; 55.82,-79 68,-79 ; 67.2,-79.267 68,-79 ; 67.2,-78.733 68,-79 ; 68,-79.254 68,-78.746 ; 69.2,0.733 70,1 ; 69.2,1.267 70,1 ; 70,0.746 70,1.254 ; 38.4,-38.5 68.4,-38.5 68.4,-11.5 38.4,-11.5 38.4,-38.5
  text "70 (mm)" at 32.434,0.5 h0.8
  text "50 (mm)" at -0.4,-27.566 h0.8 r90
  text "27 (mm)" at 36.7,-62.034 h0.8 r270
  text "27 (mm)" at 2,-67.166 h0.8 r90
  text "30 (mm)" at 14.934,-79.5 h0.8
  text "30 (mm)" at 50.434,-79.5 h0.8
Top Solder:
  drawing of 310 lines, arcs and shapes, not listed
  text "51" at 4.8,-76.2 h0.8
  text "STM32" at 39.5,-76.5 h0.8

## Text inside footprints (layer, text, board x,y; h text height)
P8: Top Overlay "GND" at 62.575,-40.541 h0.8 r180; Top Overlay "GND" at 62.575,-39.271 h0.8 r180; Top Overlay "PB15" at 60.162,-40.541 h0.8 r180; Top Overlay "PB13" at 57.622,-40.541 h0.8 r180; Top Overlay "PB11" at 55.082,-40.541 h0.8 r180; Top Overlay "PB1" at 52.415,-40.541 h0.8 r180; Top Overlay "PA7" at 49.875,-40.541 h0.8 r180; Top Overlay "PA5" at 47.335,-40.541 h0.8 r180; Top Overlay "PA3" at 44.795,-40.541 h0.8 r180; Top Overlay "PA1" at 42.255,-40.541 h0.8 r180; Top Overlay "P00" at 60.035,-39.271 h0.8 r180; Top Overlay "P02" at 57.495,-39.271 h0.8 r180; Top Overlay "P04" at 54.955,-39.271 h0.8 r180; Top Overlay "P06" at 52.415,-39.271 h0.8 r180; Top Overlay "P27" at 49.875,-39.271 h0.8 r180; Top Overlay "P25" at 47.335,-39.271 h0.8 r180; Top Overlay "P23" at 44.795,-39.271 h0.8 r180; Top Overlay "P21" at 42.255,-39.271 h0.8 r180; Top Overlay "PA0" at 40.985,-47.399 h0.8; Top Overlay "PA2" at 43.525,-47.399 h0.8; Top Overlay "PA4" at 46.065,-47.399 h0.8; Top Overlay "PA6" at 48.605,-47.399 h0.8; Top Overlay "PB0" at 51.145,-47.399 h0.8; Top Overlay "PB10" at 53.558,-47.399 h0.8; Top Overlay "PB12" at 56.098,-47.399 h0.8; Top Overlay "PB14" at 58.511,-47.399 h0.8; Top Overlay "VCC" at 61.305,-47.399 h0.8; Top Overlay "VCC" at 61.305,-48.669 h0.8; Top Overlay "P01" at 58.765,-48.542 h0.8; Top Overlay "P03" at 56.225,-48.542 h0.8; Top Overlay "P05" at 53.685,-48.542 h0.8; Top Overlay "P07" at 51.145,-48.542 h0.8; Top Overlay "P26" at 48.605,-48.542 h0.8; Top Overlay "P24" at 46.065,-48.542 h0.8; Top Overlay "P22" at 43.525,-48.542 h0.8; Top Overlay "P33" at 40.985,-48.542 h0.8
P11: Top Overlay "GND" at 62.575,-2.501 h0.8 r180; Top Overlay "GND" at 62.575,-1.358 h0.8 r180; Top Overlay "PA8" at 60.035,-2.501 h0.8 r180; Top Overlay "PA10" at 57.622,-2.501 h0.8 r180; Top Overlay "PA12" at 55.082,-2.501 h0.8 r180; Top Overlay "JTCK" at 52.542,-2.501 h0.8 r180; Top Overlay "JTDO" at 50.002,-2.501 h0.8 r180; Top Overlay "PB5" at 47.335,-2.501 h0.8 r180; Top Overlay "PB7" at 44.795,-2.501 h0.8 r180; Top Overlay "PB9" at 42.255,-2.501 h0.8 r180; Top Overlay "P32" at 60.035,-1.231 h0.8 r180; Top Overlay "P30" at 57.495,-1.231 h0.8 r180; Top Overlay "P37" at 54.955,-1.231 h0.8 r180; Top Overlay "P36" at 52.415,-1.231 h0.8 r180; Top Overlay "P13" at 47.335,-1.231 h0.8 r180; Top Overlay "P15" at 44.795,-1.231 h0.8 r180; Top Overlay "P17" at 42.255,-1.231 h0.8 r180; Top Overlay "PC13" at 40.858,-9.359 h0.8; Top Overlay "PB8" at 43.525,-9.359 h0.8; Top Overlay "PB6" at 46.065,-9.359 h0.8; Top Overlay "JTRST" at 48.224,-9.359 h0.8; Top Overlay "JTDI" at 51.018,-9.359 h0.8; Top Overlay "JTMS" at 53.558,-9.359 h0.8; Top Overlay "PA11" at 56.098,-9.359 h0.8; Top Overlay "PA9" at 58.765,-9.359 h0.8; Top Overlay "VCC" at 61.305,-9.359 h0.8; Top Overlay "VCC" at 61.305,-10.502 h0.8; Top Overlay "P31" at 58.765,-10.629 h0.8; Top Overlay "P34" at 56.225,-10.629 h0.8; Top Overlay "P35" at 53.685,-10.629 h0.8; Top Overlay "P10" at 51.145,-10.629 h0.8; Top Overlay "P12" at 48.605,-10.629 h0.8; Top Overlay "P14" at 46.065,-10.629 h0.8; Top Overlay "P16" at 43.525,-10.629 h0.8; Top Overlay "P20" at 40.985,-10.629 h0.8